# Altium PCB 通用工装板.PcbDoc (part 2 of 10)
Units mil, origin at the board's own origin, x right, y up, seen from the top; angles counter-clockwise.
Board outline 5905.51 x 3937.01 mil, 4 copper layers (L1, L2, L3, L4), stack 30.634 mil thick; 601 components, 576 nets, 2543 pads, 2986 vias.
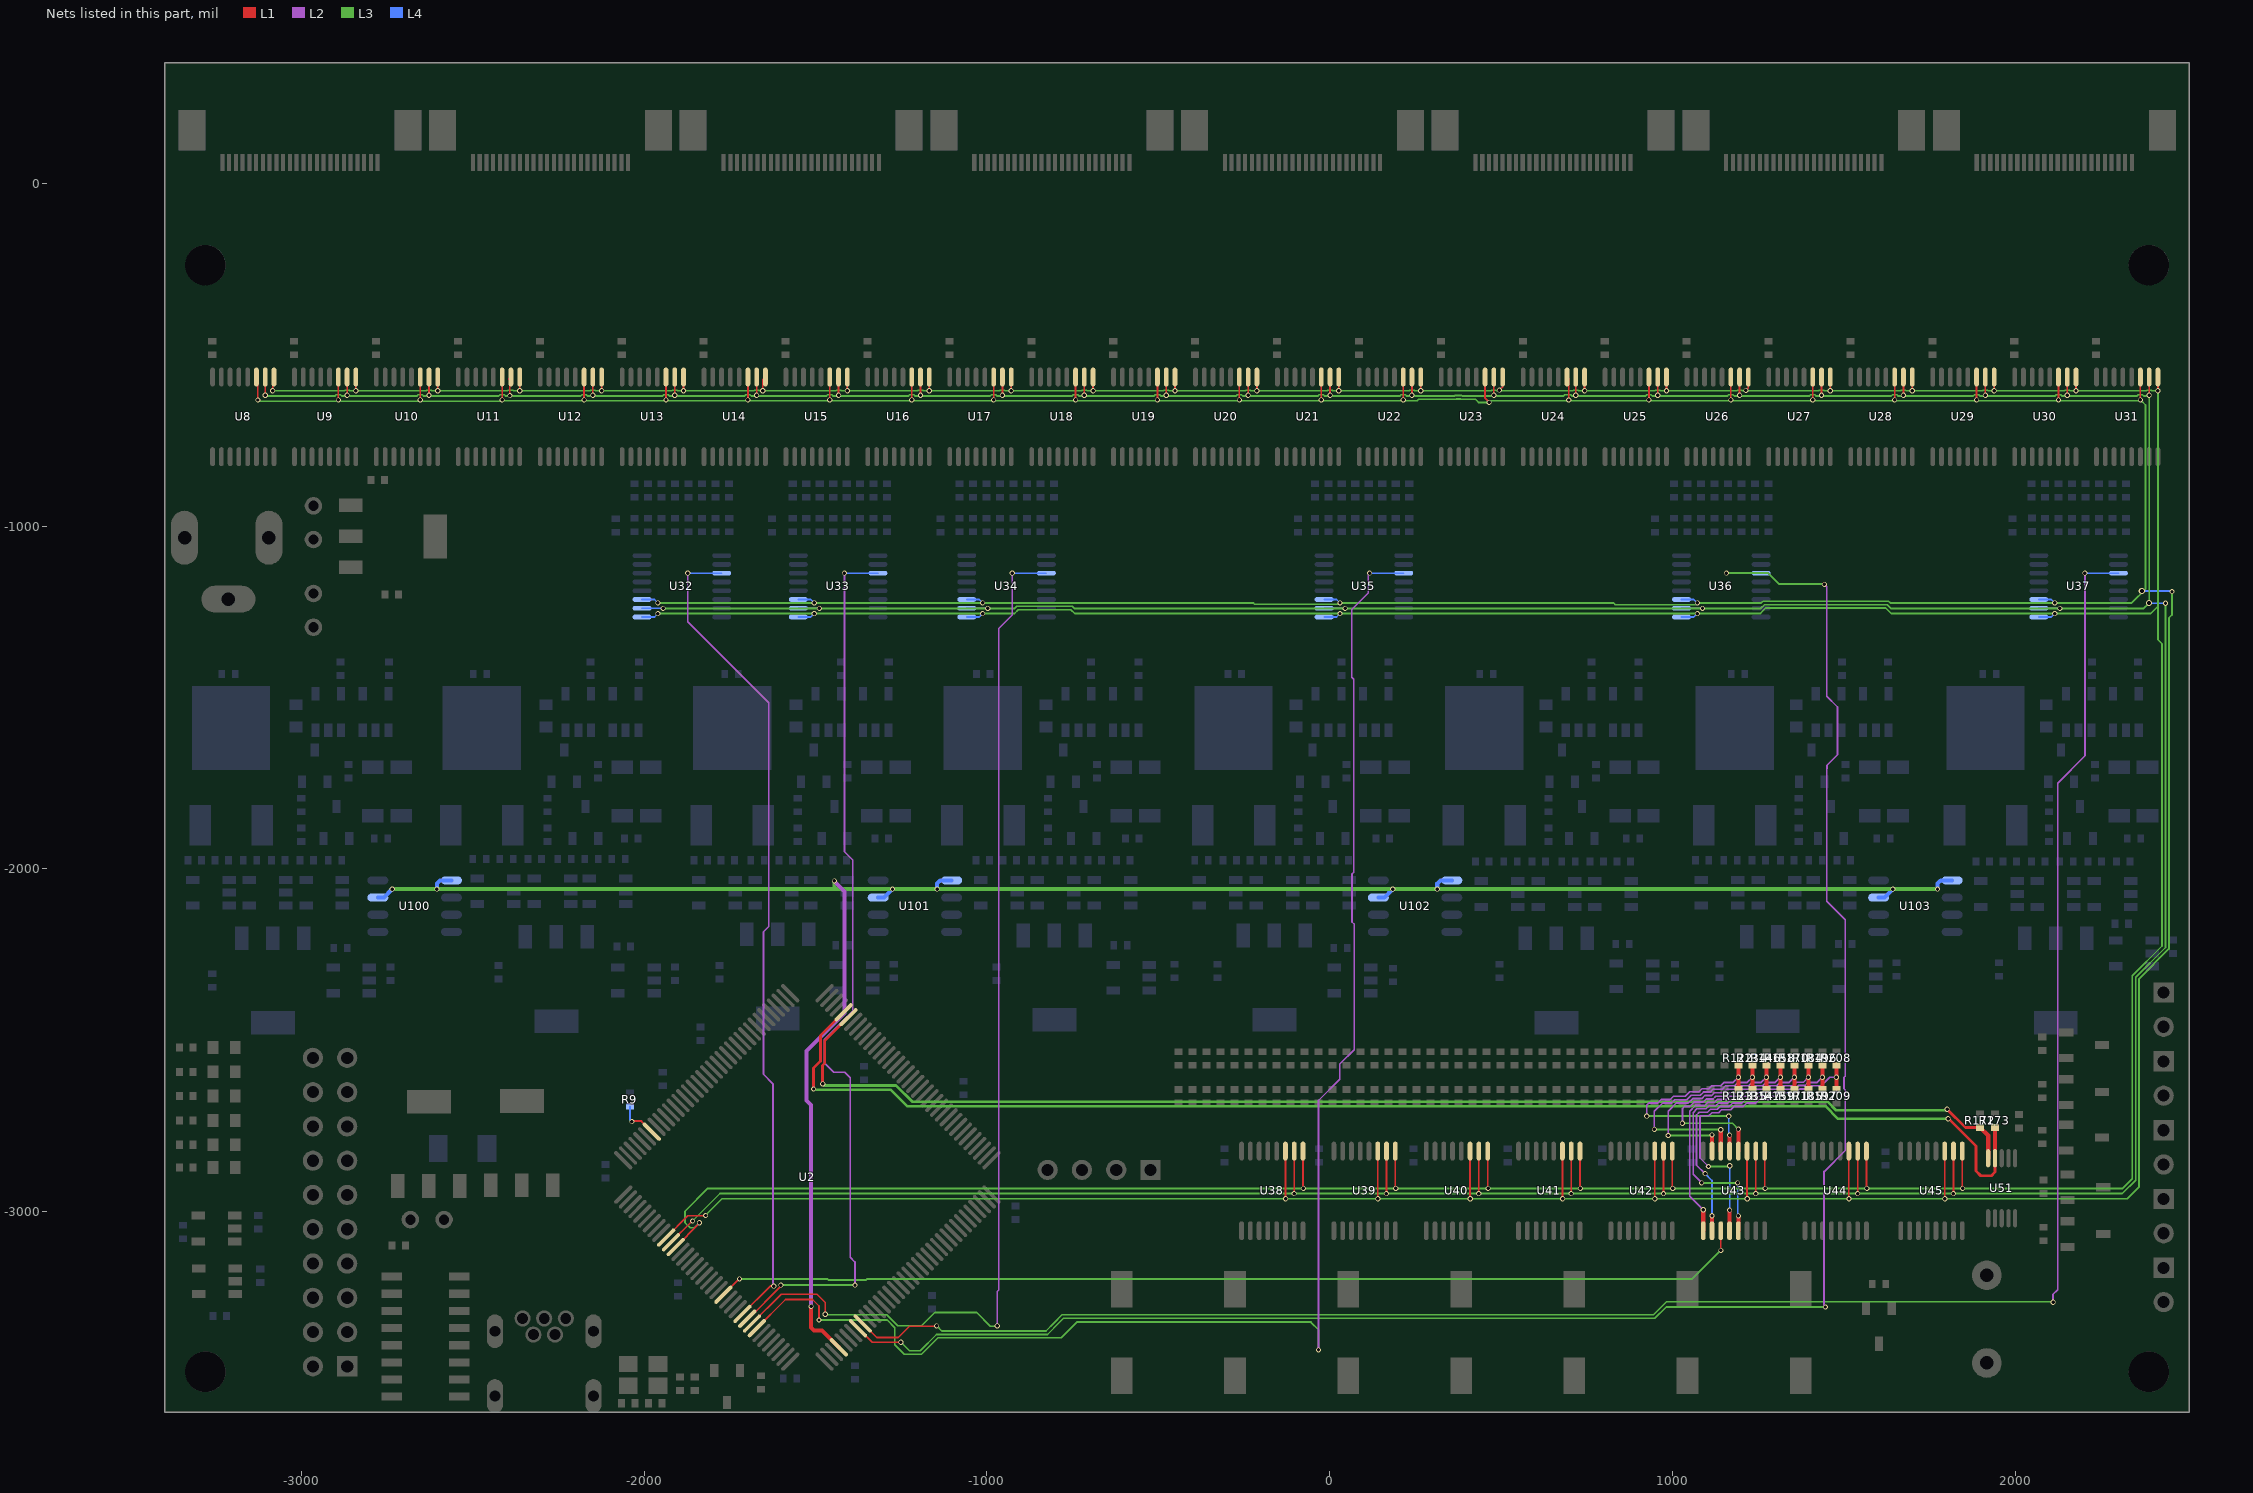
[diagram p4: the nets of this part, all layers, seen from the top]

## Via types
v1: diameter 15, hole 10, L1 to L4, tented both sides, 1853 vias
v2: diameter 18, hole 12, L1 to L4, tented both sides, 1133 vias

## Nets (pads, with @x,y where several pads share a name; then routed paths per layer and width w, separated by ;. In a path a pad name is that pad's centre, name@x,y a point inside that pad or via, vN(x,y) a via of type N, cw(c..) or ccw(c..) an arc to the next point about the centre after c; other vN are vias at no path point) (continued)
ADC1: U2.26 U32.3 | length 2420.3
  L1 w5: U2.26@-1713.29,-3298.06 -1632.23,-3217 v1(-1622,-3217)
  L2 w5: v1(-1873.17,-1137.17) -1873.17,-1278.83 -1637,-1515 -1637,-2168 -1652,-2183 -1652,-2599 -1624.5,-2626.5 -1624.5,-3214.5 v1(-1622,-3217)
  L4 w5: v1(-1873.17,-1137.17) U32.3@-1773.98,-1137.17
ADC2: U2.27 U33.3 | length 2631.9
  L1 w5: U2.27@-1699.37,-3311.98 -1695.76,-3311.98 -1601.39,-3217.61 v1(-1601.39,-3214)
  L2 w5: v1(-1415.83,-1137.17) -1415.83,-1950.17 -1392,-1974 -1392,-2415.09 -1475,-2498.09 -1475,-2565 -1447,-2593 -1415,-2593 -1399,-2609 -1399,-3133 -1385,-3147 v1(-1385,-3214)
  L3 w5: v1(-1601.39,-3214) v1(-1385,-3214)
  L4 w5: v1(-1415.83,-1137.17) U33.3@-1318.08,-1137.17
ADC3: U2.28 U34.3 | length 3155.2
  L1 w5: U2.28@-1685.45,-3325.9 -1600.55,-3241 -1496,-3241 -1472,-3265 v1(-1472,-3299)
  L2 w5: v1(-970,-3333) -970,-3232.79 -965.5,-3228.29 -965.5,-2876 -965.5,-1298.5 -926.17,-1259.17 v1(-926.17,-1137.17)
  L3 w5: v1(-1472,-3299) -1470,-3301 -1292,-3301 -1260,-3333 -1191,-3333 -1152,-3294 -1030.14,-3294 -990.14,-3334 -971,-3334 v1(-970,-3333)
  L4 w5: v1(-926.17,-1137.17) U34.3@-826.74,-1137.17
ADC4: U2.29 U35.3 | length 4336.7
  L1 w5: U2.29@-1671.53,-3339.81 -1587.72,-3256 -1509,-3256 -1490,-3275 v1(-1490,-3316)
  L2 w5: v1(-33,-3403) -33,-2675.64 29,-2613.64 29,-2569 71,-2527 71,-2160.79 65,-2154.79 65,-2014.97 69.76,-2010.21 69.76,-1446.46 64.13,-1440.83 64.13,-1243.08 112,-1195.21 112,-1141.33 v1(116.17,-1137.17)
  L3 w5: v1(-1490,-3316) -1291.14,-3316 -1269,-3338.14 -1269,-3388 -1241,-3416 -1191,-3416 -1143,-3368 -783.79,-3368 -737.79,-3322 -55,-3322 -33,-3344 v1(-33,-3403)
  L4 w5: v1(116.17,-1137.17) U35.3@215.78,-1137.17
ADC5: U2.44 U36.3 | length 5497
  L1 w5: U2.44@-1376.44,-3339.81 -1335.25,-3381 v1(-1251,-3381)
  L2 w5: v1(1443,-1170) 1450,-1177 1450,-1496.7 1481,-1527.7 1481,-1667.3 1450.5,-1697.8 1450.5,-1707.5 1450,-1708 1450,-2094.56 1503.5,-2148.06 1503.5,-2604.59 1500,-2608.09 1500,-2641.41 1503.5,-2644.91 1503.5,-2821.5 1442,-2883 1442,-3274 v1(1446,-3278)
  L3 w5: v1(-1251,-3381) -1226,-3406 -1195.14,-3406 -1147.14,-3358 -823.64,-3358 -789.93,-3324.28 -789.93,-3324.07 -776.86,-3311 948.36,-3311 981.36,-3278 v1(1446,-3278) v1@1443,-3281 ; v1(1157,-1137) 1278.86,-1137 1310.86,-1169 1442,-1169 v1(1443,-1170)
  L4 w5: v1(1157,-1137) 1157.17,-1137.17 U36.3@1258.3,-1137.17
ADC6: U2.45 U37.3 | length 5811
  L1 w5: U2.45@-1362.52,-3325.9 -1321.41,-3367 -1259,-3367 -1226,-3334 -1148,-3334 v1(-1147,-3333)
  L2 w5: v1(2110,-3264) 2110,-3241 2123.5,-3227.5 2123.5,-1749.65 2203,-1670.15 v1(2203,-1137)
  L3 w5: v1(-1147,-3333) -1132,-3348 -827.79,-3348 -804,-3324.21 -804,-3324 -781,-3301 944.21,-3301 982.21,-3263 2111,-3263 v1(2110,-3264)
  L4 w5: v1(2203,-1137) 2203.17,-1137.17 U37.3@2300.82,-1137.17
ADC_I2C_SCL: R172.1 U2.103 U51.10 | length 3755.9
  L1 w8: v1@-1480,-2626 -1480,-2573.18 -1473,-2566.18 -1473,-2500.99 U2.103@-1404.28,-2432.27 ; v1(1801,-2701) 1854.29,-2754.29 R172.1@1897.28,-2754.29
  L1 w12: R172.1@1897.28,-2754.29 1920.9,-2777.91 U51.10@1920.9,-2843.86
  L3 w8: v1(-1479,-2627) -1474.5,-2631.5 -1265.5,-2631.5 -1218,-2679 1451.62,-2679 1476.62,-2704 1798,-2704 v1(1801,-2701)
ADC_I2C_SDA: R173.1 U2.104 U51.9 | length 3988.7
  L1 w8: v1(-1506,-2642) -1506,-2580.8 -1486,-2560.8 -1486,-2486.15 U2.104@-1418.2,-2418.35 ; v1(1804,-2729) 1806,-2729 1885,-2808 1885,-2881 1899,-2895 1930,-2895 1940.58,-2884.42 U51.9@1940.58,-2843.86
  L1 w12: U51.9@1940.58,-2843.86 R173.1@1940.58,-2754.29
  L3 w8: v1(-1506,-2642) -1503.5,-2644.5 -1280.5,-2644.5 -1233,-2692 1446.23,-2692 1483.23,-2729 v1(1804,-2729)
ADDR_A: U2.10 U8.11 U9.11 U10.11 U11.11 U12.11 U13.11 U14.11 U15.11 U16.11 U17.11 U18.11 U19.11 U20.11 U21.11 U22.11 U23.11 U24.11 U25.11 U26.11 U27.11 U28.11 U29.11 U30.11 U31.11 U32.11 U33.11 U34.11 U35.11 U36.11 U37.11 U38.11 U39.11 U40.11 U41.11 U42.11 U43.11 U44.11 U45.11 | length 19751.8
  L1 w5: U8.11@-3131.27,-564.98 -3127,-569.25 v1(-3127,-632) ; v1(-2892.31,-631.73) U9.11@-2892.31,-564.98 ; v1(-2653.35,-631.73) U10.11@-2653.35,-564.98 ; v1(-2414.39,-631.73) U11.11@-2414.39,-564.98 ; v1(-2175.43,-631.73) U12.11@-2175.43,-564.98 ; v1(-1936.47,-631.73) U13.11@-1936.47,-564.98 ; U2.10@-1936,-3075.35 -1872.65,-3012 -1822,-3012 v1(-1821,-3011) ; v1(-1697.51,-631.73) U14.11@-1697.51,-564.98 ; v1(-1458.55,-631.73) U15.11@-1458.55,-564.98 ; v1(-1219.59,-631.73) U16.11@-1219.59,-564.98 ; v1(-980.63,-631.73) U17.11@-980.63,-564.98 ; v1(-741.68,-631.73) U18.11@-741.68,-564.98 ; v1(-502.72,-631.73) U19.11@-502.72,-564.98 ; v1(-263.76,-631.73) U20.11@-263.76,-564.98 ; U38.11@-129.4,-2823.19 -129.4,-2961.6 v1(-129,-2962) ; v1(-24.8,-631.73) U21.11@-24.8,-564.98 ; U39.11@139.97,-2823.19 139.97,-2961.6 v1(140.37,-2962) ; v1(214.16,-631.73) U22.11@214.16,-564.98 ; U40.11@409.35,-2823.19 409.35,-2961.6 v1(409.75,-2962) ; U23.11@453.12,-564.98 453.12,-627.12 v1(465,-639) ; U41.11@678.72,-2823.19 678.72,-2961.6 v1(679.12,-2962) ; U24.11@692.08,-564.98 697,-569.9 v1(697,-632) ; v1(931.04,-631.73) U25.11@931.04,-564.98 ; U42.11@948.09,-2823.19 948.09,-2961.6 v1(948.5,-2962) ; v1(1170,-631.73) U26.11@1170,-564.98 ; U43.11@1217.47,-2823.19 1217.47,-2961.6 v1(1217.87,-2962) ; v1(1408.96,-631.73) U27.11@1408.96,-564.98 ; U44.11@1514.4,-2823.19 1514.4,-2961.6 v1(1514.8,-2962) ; v1(1647.92,-631.73) U28.11@1647.92,-564.98 ; U45.11@1793.93,-2823.19 1793.93,-2961.6 v1(1794.33,-2962) ; v1(1886.88,-631.73) U29.11@1886.88,-564.98 ; v1(2125.83,-631.73) U30.11@2125.83,-564.98 ; v1(2364.79,-631.73) U31.11@2364.79,-564.98
  L2 w5: v1(-2175.43,-631.73) v1@-2173.16,-634 ; v1(-1936.47,-631.73) v1@-1934.2,-634 ; v1(-1697.51,-631.73) v1@-1695.24,-634 ; v1(-1458.55,-631.73) v1@-1456.29,-634 ; v1(-1219.59,-631.73) v1@-1217.33,-634 ; v1(-980.63,-631.73) v1@-978.37,-634 ; v1(-741.68,-631.73) v1@-739.41,-634 ; v1(-502.72,-631.73) v1@-500.45,-634 ; v1(-263.76,-631.73) v1@-261.49,-634 ; v1(-24.8,-631.73) v1@-22.53,-634 ; v1(214.16,-631.73) v1@216.43,-634 ; v1@694.35,-634 696.35,-632 v1(697,-632) ; v1(931.04,-631.73) v1@933.31,-634 ; v1(1170,-631.73) v1@1172.27,-634 ; v1(1408.96,-631.73) v1@1411.22,-634 ; v1(1647.92,-631.73) v1@1650.18,-634 ; v1(1886.88,-631.73) v1@1889.14,-634 ; v1(2125.83,-631.73) v1@2128.1,-634 ; v1(2364.79,-631.73) v1@2367.06,-634
  L3 w5: v1@-3129,-634 -3127,-636 v1@-2414.39,-636 ; v1(-2414.39,-631.73) -2412.12,-634 -263.76,-634 255.09,-634 259,-630.09 367.7,-630.09 368.79,-629 381.21,-629 382.3,-630.09 425.09,-630.09 434,-639 v1(465,-639) 470,-634 v1@2367.06,-634 ; v1(-1960,-1224) v1(-1504.09,-1224) v1(-1012.76,-1224) -223.64,-1224 -219.64,-1228 25.76,-1228 v1(29.76,-1224) 827.78,-1224 832.78,-1229 1067.28,-1229 v1(1072.28,-1224) 1259,-1224 1264,-1219 1630,-1219 1635,-1224 v1(2114.8,-1224) 2340,-1224 2379.79,-1184.21 2379.79,-646.73 v1@2367.06,-634 ; v1(-1821,-3011) -1822,-3011 -1773,-2962 v1(-129,-2962) v1(140.37,-2962) v1(409.75,-2962) v1(679.12,-2962) v1(948.5,-2962) v1(1217.87,-2962) v1(1514.8,-2962) v1(1794.33,-2962) 2326,-2962 2361,-2927 2361,-2320.28 2448,-2233.28 2448,-1268 2457,-1259 v1(2457,-1191) ; v1(2364.79,-631.73) v1@2367.06,-634
  L4 w5: U32.11@-2006.27,-1213.94 -1970.06,-1213.94 v1(-1960,-1224) ; U33.11@-1550.36,-1213.94 -1514.16,-1213.94 v1(-1504.09,-1224) ; U34.11@-1059.02,-1213.94 -1022.82,-1213.94 v1(-1012.76,-1224) ; U35.11@-16.5,-1213.94 19.7,-1213.94 v1(29.76,-1224) ; U36.11@1026.02,-1213.94 1062.22,-1213.94 v1(1072.28,-1224) ; U37.11@2068.54,-1213.94 2104.74,-1213.94 v1(2114.8,-1224) ; v2(2369,-1189) 2455,-1189 v1(2457,-1191)
ADDR_B: U2.11 U8.10 U9.10 U10.10 U11.10 U12.10 U13.10 U14.10 U15.10 U16.10 U17.10 U18.10 U19.10 U20.10 U21.10 U22.10 U23.10 U24.10 U25.10 U26.10 U27.10 U28.10 U29.10 U30.10 U31.10 U32.10 U33.10 U34.10 U35.10 U36.10 U37.10 U38.10 U39.10 U40.10 U41.10 U42.10 U43.10 U44.10 U45.10 | length 19280.8
  L1 w5: v1(-3105.68,-618.32) U8.10@-3105.68,-564.98 ; v1(-2866.72,-618.32) U9.10@-2866.72,-564.98 ; v1(-2627.76,-618.32) U10.10@-2627.76,-564.98 ; v1(-2392,-619) -2392,-574.96 -2391,-573.96 -2394.39,-570.57 U11.10@-2388.8,-564.98 ; v1(-2149.84,-618.32) U12.10@-2149.84,-564.98 ; U2.11@-1922.08,-3089.26 -1859.82,-3027 v1(-1859,-3027) ; v1(-1910.88,-618.32) U13.10@-1910.88,-564.98 ; v1(-1671.92,-618.32) U14.10@-1671.92,-564.98 ; v1(-1432.96,-618.32) U15.10@-1432.96,-564.98 ; v1(-1194,-618.32) U16.10@-1194,-564.98 ; v1(-955.04,-618.32) U17.10@-955.04,-564.98 ; v1(-716.09,-618.32) U18.10@-716.09,-564.98 ; v1(-477.13,-618.32) U19.10@-477.13,-564.98 ; v1(-238.17,-618.32) U20.10@-238.17,-564.98 ; v1(-104,-2947) -103.81,-2946.81 U38.10@-103.81,-2823.19 ; v1(0.79,-618.32) U21.10@0.79,-564.98 ; v1(165.37,-2947) 165.56,-2946.81 U39.10@165.56,-2823.19 ; v1(239.75,-618.32) U22.10@239.75,-564.98 ; v1(434.75,-2947) 434.94,-2946.81 U40.10@434.94,-2823.19 ; v1(478.71,-618.32) U23.10@478.71,-564.98 ; v1(704.12,-2947) 704.31,-2946.81 U41.10@704.31,-2823.19 ; v1(717.67,-618.32) U24.10@717.67,-564.98 ; v1(956.63,-618.32) U25.10@956.63,-564.98 ; v1(973.5,-2947) 973.68,-2946.81 U42.10@973.68,-2823.19 ; v1(1195.59,-618.32) U26.10@1195.59,-564.98 ; v1(1242.87,-2947) 1243.06,-2946.81 U43.10@1243.06,-2823.19 ; v1(1434.55,-618.32) U27.10@1434.55,-564.98 ; v1(1539.8,-2947) 1539.99,-2946.81 U44.10@1539.99,-2823.19 ; v1(1673.51,-618.32) U28.10@1673.51,-564.98 ; v1(1819.33,-2947) 1819.52,-2946.81 U45.10@1819.52,-2823.19 ; v1(1912.47,-618.32) U29.10@1912.47,-564.98 ; v1(2151.43,-618.32) U30.10@2151.43,-564.98 ; v1(2390.38,-618.32) U31.10@2390.38,-564.98
  L3 w5: v1(-3105.68,-618.32) -3103.91,-620.09 -2901.88,-620.09 -2898.52,-616.73 -2886.1,-616.73 -2882.74,-620.09 -2662.92,-620.09 -2659.56,-616.73 -2647.14,-616.73 -2643.78,-620.09 -2423.96,-620.09 -2420.6,-616.73 -2408.18,-616.73 -2404.82,-620.09 -2185,-620.09 -2181.64,-616.73 -2169.22,-616.73 -2165.86,-620.09 -1946.04,-620.09 -1942.68,-616.73 -1930.26,-616.73 -1926.9,-620.09 -1707.08,-620.09 -1703.73,-616.73 -1691.3,-616.73 -1687.95,-620.09 -1468.12,-620.09 -1464.77,-616.73 -1452.34,-616.73 -1448.99,-620.09 -1229.16,-620.09 -1225.81,-616.73 -1213.38,-616.73 -1210.03,-620.09 -990.2,-620.09 -986.85,-616.73 -974.42,-616.73 -971.07,-620.09 -751.24,-620.09 -747.89,-616.73 -735.46,-616.73 -732.11,-620.09 -512.28,-620.09 -508.93,-616.73 -496.5,-616.73 -493.15,-620.09 -273.32,-620.09 -269.97,-616.73 -257.54,-616.73 -254.19,-620.09 -34.37,-620.09 -31.01,-616.73 -18.58,-616.73 -15.23,-620.09 204.59,-620.09 207.95,-616.73 220.37,-616.73 223.73,-620.09 363.56,-620.09 364.64,-619 385.36,-619 386.44,-620.09 682.51,-620.09 685.87,-616.73 702.95,-616.73 706.3,-620.09 921.47,-620.09 924.83,-616.73 937.25,-616.73 940.61,-620.09 1160.43,-620.09 1163.78,-616.73 1176.21,-616.73 1179.57,-620.09 1399.39,-620.09 1402.74,-616.73 1415.17,-616.73 1418.52,-620.09 1638.35,-620.09 1641.7,-616.73 1654.13,-616.73 1657.48,-620.09 1877.31,-620.09 1880.66,-616.73 1893.09,-616.73 1896.44,-620.09 2116.27,-620.09 2119.62,-616.73 2132.05,-616.73 2135.4,-620.09 2355.23,-620.09 2358.58,-616.73 2371.01,-616.73 2374.36,-620.09 v1@2390.38,-620.09 ; v1(-1945,-1240) v1(-1489.09,-1240) v1(-997.76,-1240) -919,-1240 -913,-1234 -751,-1234 -745,-1240 v1(44.76,-1240) v1(1087.28,-1240) 1257.14,-1240 1268.14,-1229 1625.86,-1229 1636.86,-1240 v1(2129.8,-1240) 2375,-1240 v2(2390.38,-1224.62) v1@2390.38,-620.09 ; v1(-1859,-3027) -1779,-2947 v1(-104,-2947) v1(165.37,-2947) v1(434.75,-2947) v1(704.12,-2947) v1(973.5,-2947) v1(1242.87,-2947) v1(1539.8,-2947) v1(1819.33,-2947) 2312.14,-2947 2351,-2908.14 2351,-2316.14 2438,-2229.14 v1(2438,-1225) ; v1(2390.38,-618.32) v1@2390.38,-620.09
  L4 w5: U32.10@-2006.27,-1239.53 -1945.47,-1239.53 v1(-1945,-1240) ; U33.10@-1550.36,-1239.53 -1489.57,-1239.53 v1(-1489.09,-1240) ; U34.10@-1059.02,-1239.53 -998.23,-1239.53 v1(-997.76,-1240) ; U35.10@-16.5,-1239.53 44.29,-1239.53 v1(44.76,-1240) ; U36.10@1026.02,-1239.53 1086.81,-1239.53 v1(1087.28,-1240) ; U37.10@2068.54,-1239.53 2129.33,-1239.53 v1(2129.8,-1240) ; v2(2390.38,-1224.62) 2437.62,-1224.62 v1(2438,-1225)
ADDR_C: U2.12 U8.9 U9.9 U10.9 U11.9 U12.9 U13.9 U14.9 U15.9 U16.9 U17.9 U18.9 U19.9 U20.9 U21.9 U22.9 U23.9 U24.9 U25.9 U26.9 U27.9 U28.9 U29.9 U30.9 U31.9 U32.9 U33.9 U34.9 U35.9 U36.9 U37.9 U38.9 U39.9 U40.9 U41.9 U42.9 U43.9 U44.9 U45.9 | length 18877.3
  L1 w5: v1(-3084,-605) -3084,-568.9 U8.9@-3080.09,-564.98 ; v1(-2841.13,-605.09) U9.9@-2841.13,-564.98 ; v1(-2602.17,-605.09) U10.9@-2602.17,-564.98 ; v1(-2363.21,-605.09) U11.9@-2363.21,-564.98 ; v1(-2124.25,-605.09) U12.9@-2124.25,-564.98 ; U2.12@-1908.16,-3103.18 -1839,-3034.02 v1(-1839,-3032) ; v1(-1885.29,-605.09) U13.9@-1885.29,-564.98 ; v1(-1654,-605) -1654,-572.65 U14.9@-1646.33,-564.98 ; v1(-1407.37,-605.09) U15.9@-1407.37,-564.98 ; v1(-1168.41,-605.09) U16.9@-1168.41,-564.98 ; v1(-929.45,-605.09) U17.9@-929.45,-564.98 ; v1(-690.49,-605.09) U18.9@-690.49,-564.98 ; v1(-451.54,-605.09) U19.9@-451.54,-564.98 ; v1(-212.58,-605.09) U20.9@-212.58,-564.98 ; U38.9@-78.22,-2823.19 -78.22,-2930.78 v1(-77,-2932) ; v1(26.38,-605.09) U21.9@26.38,-564.98 ; U39.9@191.15,-2823.19 191.15,-2930.78 v1(192.37,-2932) ; v1(265.34,-605.09) U22.9@265.34,-564.98 ; U40.9@460.53,-2823.19 460.53,-2930.78 v1(461.75,-2932) ; v1(495,-603) 504.3,-593.7 U23.9@504.3,-564.98 ; U41.9@729.9,-2823.19 729.9,-2930.78 v1(731.12,-2932) ; v1(743.26,-605.09) U24.9@743.26,-564.98 ; v1(982.22,-605.09) U25.9@982.22,-564.98 ; U42.9@999.27,-2823.19 999.27,-2930.78 v1(1000.5,-2932) ; v1(1214,-604) 1221.18,-596.82 U26.9@1221.18,-564.98 ; U43.9@1268.65,-2823.19 1268.65,-2930.78 v1(1269.87,-2932) ; v1(1460.14,-605.09) U27.9@1460.14,-564.98 ; U44.9@1565.58,-2823.19 1565.58,-2930.78 v1(1566.8,-2932) ; v1(1699.1,-605.09) U28.9@1699.1,-564.98 ; U45.9@1845.11,-2823.19 1845.11,-2930.78 v1(1846.33,-2932) ; v1(1938.06,-605.09) U29.9@1938.06,-564.98 ; v1(2177.02,-605.09) U30.9@2177.02,-564.98 ; v1(2415.98,-605.09) U31.9@2415.98,-564.98
  L3 w5: v1(-3084,-605) -2874.78,-605 -2874.69,-605.09 -2872.93,-603.32 -2860.5,-603.32 -2858.74,-605.09 -2635.74,-605.09 -2633.97,-603.32 -2621.55,-603.32 -2619.78,-605.09 -2399.3,-605.09 -2397.54,-603.32 -2382.59,-603.32 -2380.82,-605.09 -2157.82,-605.09 -2156.05,-603.32 -2143.63,-603.32 -2141.86,-605.09 -1918.86,-605.09 -1917.09,-603.32 -1904.67,-603.32 -1902.9,-605.09 -1679.9,-605.09 -1678.14,-603.32 -1665.71,-603.32 -1663.95,-605.09 -1440.94,-605.09 -1439.18,-603.32 -1426.75,-603.32 -1424.99,-605.09 -1201.98,-605.09 -1200.22,-603.32 -1187.79,-603.32 -1186.03,-605.09 -963.02,-605.09 -961.26,-603.32 -948.83,-603.32 -947.07,-605.09 -724.06,-605.09 -722.3,-603.32 -709.87,-603.32 -708.11,-605.09 -485.1,-605.09 -483.34,-603.32 -470.91,-603.32 -469.15,-605.09 -246.14,-605.09 -244.38,-603.32 -231.95,-603.32 -230.19,-605.09 -7.18,-605.09 -5.42,-603.32 7.01,-603.32 8.77,-605.09 231.77,-605.09 233.54,-603.32 245.96,-603.32 247.73,-605.09 470.73,-605.09 472.5,-603.32 484.92,-603.32 486.69,-605.09 709.69,-605.09 711.46,-603.32 723.88,-603.32 725.65,-605.09 948.65,-605.09 950.42,-603.32 962.84,-603.32 964.61,-605.09 1187.61,-605.09 1189.38,-603.32 1201.8,-603.32 1203.57,-605.09 1426.57,-605.09 1428.33,-603.32 1440.76,-603.32 1442.52,-605.09 1665.53,-605.09 1667.29,-603.32 1679.72,-603.32 1681.48,-605.09 1904.49,-605.09 1906.25,-603.32 1918.68,-603.32 1920.44,-605.09 2143.45,-605.09 2145.21,-603.32 2157.64,-603.32 2159.4,-605.09 2382.41,-605.09 2384.17,-603.32 2396.6,-603.32 2398.36,-605.09 v1(2415.98,-605.09) 2415.98,-1234.02 ; v1(-1960,-1255) v1(-1504.09,-1255) v1(-1012.76,-1255) -919.86,-1255 -908.86,-1244 -755.14,-1244 -744.14,-1255 v1(29.76,-1255) v1(1072.28,-1255) 1256.28,-1255 1272.28,-1239 1621.72,-1239 1637.72,-1255 v1(2114.8,-1255) 2395,-1255 2415.98,-1234.02 ; v1(-1839,-3032) -1854,-3047 -1866,-3047 -1881,-3032 -1881,-2998.79 -1814.21,-2932 v1(-77,-2932) v1(192.37,-2932) v1(461.75,-2932) v1(731.12,-2932) v1(1000.5,-2932) v1(1269.87,-2932) v1(1566.8,-2932) v1(1846.33,-2932) 2313,-2932 2341,-2904 2341,-2312 2428,-2225 2428,-1343 2415.98,-1330.98 2415.98,-1234.02
  L4 w5: U32.9@-2006.27,-1265.12 -1970.12,-1265.12 v1(-1960,-1255) ; U33.9@-1550.36,-1265.12 -1514.21,-1265.12 v1(-1504.09,-1255) ; U34.9@-1059.02,-1265.12 -1022.87,-1265.12 v1(-1012.76,-1255) ; U35.9@-16.5,-1265.12 19.65,-1265.12 v1(29.76,-1255) ; U36.9@1026.02,-1265.12 1062.17,-1265.12 v1(1072.28,-1255) ; U37.9@2068.54,-1265.12 2104.68,-1265.12 v1(2114.8,-1255)
ADJ: U2.22 U43.3 | length 3023.4
  L1 w5: U2.22@-1768.97,-3242.38 -1722.59,-3196 v1(-1722,-3196) ; U43.3@1140.7,-3055.47 1140.7,-3112.7 v1(1141,-3113)
  L3 w5: v1(-1722,-3196) -1466,-3196 -1463,-3199 -1353,-3199 -1350,-3196 1057,-3196 v1@1140.5,-3112.5
ADJ_0: R122.2 R123.1 U43.13 | length 745.4
  L1 w12: U43.13@1166.29,-2823.19 v1(1166.29,-2776.58) ; R123.1@1192.19,-2642.96 v1(1192.19,-2607.82) R122.2@1192.19,-2572.69
  L2 w5: v1(924.87,-2721) 924.87,-2688.98 930.85,-2683 956.89,-2683 967.06,-2672.82 992.89,-2672.82 1002.71,-2663 1037.33,-2663 1050.33,-2650 1077.02,-2650 1086.02,-2641 1105.64,-2641 1113.81,-2632.82 1140.5,-2632.82 1150.5,-2622.82 1177.19,-2622.82 v1(1192.19,-2607.82)
  L3 w5: v1(924.87,-2721) v1(1163.87,-2721)
  L4 w5: v1(1163.87,-2721) 1163.87,-2774.17 v1(1166.29,-2776.58)
ADJ_1: R134.2 R135.1 U43.14 | length 706
  L1 w12: U43.14@1140.7,-2823.19 v1(1140.7,-2760.83) ; R135.1@1233.02,-2642.96 v1(1233.02,-2607.82) R134.2@1233.02,-2572.69
  L2 w5: v1@946.7,-2759.83 v1(946.87,-2760) 946.87,-2707.16 971.2,-2682.82 997.03,-2682.82 1006.85,-2673 1041.47,-2673 1054.47,-2660 1081.16,-2660 1090.16,-2651 1109.78,-2651 1117.95,-2642.82 1144.64,-2642.82 1154.64,-2632.82 1181.33,-2632.82 1191.33,-2622.82 1218.02,-2622.82 v1(1233.02,-2607.82)
  L3 w5: v1(946.87,-2760) v1@1139.87,-2760
ADJ_2: R146.2 R147.1 U43.15 | length 644.4
  L1 w12: U43.15@1115.11,-2823.19 v1(1115.11,-2775.77) ; R147.1@1273.85,-2642.96 v1(1273.85,-2607.82) R146.2@1273.85,-2572.69
  L2 w5: v1(987.53,-2777.66) 987.53,-2706.46 1010.99,-2683 1045.62,-2683 1058.62,-2670 1085.3,-2670 1094.3,-2661 1113.92,-2661 1122.1,-2652.82 1148.78,-2652.82 1158.78,-2642.82 1185.47,-2642.82 1195.47,-2632.82 1222.16,-2632.82 1232.16,-2622.82 1258.85,-2622.82 v1(1273.85,-2607.82)
  L3 w5: v1(987.53,-2777.66) 1113.21,-2777.66 v1(1115.11,-2775.77)
ADJ_3: R158.2 R159.1 U43.12 | length 671.7
  L1 w12: U43.12@1191.88,-2823.19 v1(1191.88,-2759.01) ; R159.1@1314.68,-2642.96 v1(1314.68,-2607.82) R158.2@1314.68,-2572.69
  L2 w5: v1@1028.36,-2741.49 v1(1028.87,-2742) 1028.87,-2699.13 1035,-2693 1049.76,-2693 1062.76,-2680 1089.45,-2680 1098.45,-2671 1118.06,-2671 1126.24,-2662.82 1152.93,-2662.82 1162.93,-2652.82 1189.61,-2652.82 1199.61,-2642.82 1226.3,-2642.82 1236.3,-2632.82 1262.99,-2632.82 1272.99,-2622.82 1299.68,-2622.82 v1(1314.68,-2607.82)
  L3 w5: v1(1028.87,-2742) 1174.87,-2742 v1(1191.88,-2759.01)
ADJ_4: R170.2 R171.1 U43.1 | length 781.8
  L1 w12: U43.1@1089.52,-3055.47 v1(1089.52,-2994.36) ; R171.1@1355.51,-2642.96 v1(1355.51,-2607.82) R170.2@1355.51,-2572.69
  L2 w5: v1(1089.52,-2994.36) 1050,-2954.84 1050,-2706.9 1066.9,-2690 1093.59,-2690 1102.59,-2681 1122.2,-2681 1130.38,-2672.82 1157.07,-2672.82 1167.07,-2662.82 1193.76,-2662.82 1203.76,-2652.82 1230.44,-2652.82 1240.44,-2642.82 1267.13,-2642.82 1277.13,-2632.82 1303.82,-2632.82 1313.82,-2622.82 1340.51,-2622.82 v1(1355.51,-2607.82)
ADJ_5: R184.2 R185.1 U43.5 | length 907.1
  L1 w12: U43.5@1191.88,-3055.47 v1(1191.88,-3012.01) ; R185.1@1396.34,-2642.96 v1(1396.34,-2607.82) R184.2@1396.34,-2572.69
  L2 w5: v1(1084.87,-2916) 1060,-2891.13 1060,-2711.04 1071.04,-2700 1097.73,-2700 1106.73,-2691 1126.35,-2691 1134.52,-2682.82 1161.21,-2682.82 1171.21,-2672.82 1197.9,-2672.82 1207.9,-2662.82 1234.59,-2662.82 1244.59,-2652.82 1271.27,-2652.82 1281.27,-2642.82 1307.96,-2642.82 1317.96,-2632.82 1351.72,-2632.82 1362.54,-2622 1382.16,-2622 v1(1396.34,-2607.82)
  L3 w5: v1(1084.87,-2916) v1(1189.87,-2916)
  L4 w5: v1@1189.87,-3010 v1(1189.87,-2916)
ADJ_6: R196.2 R197.1 U43.2 | length 839.2
  L1 w12: U43.2@1115.11,-3055.47 v1(1115.11,-3011.77) ; R197.1@1437.17,-2642.96 v1(1437.17,-2607.82) R196.2@1437.17,-2572.69
  L2 w5: v1(1094.87,-2889) 1070,-2864.13 1070,-2718 1078,-2710 1101.87,-2710 1110.87,-2701 1130.49,-2701 1138.67,-2692.82 1165.35,-2692.82 1175.35,-2682.82 1202.04,-2682.82 1212.04,-2672.82 1238.73,-2672.82 1248.73,-2662.82 1275.42,-2662.82 1285.42,-2652.82 1312.1,-2652.82 1322.1,-2642.82 1355.86,-2642.82 1366.68,-2632 1386.3,-2632 1395.48,-2622.82 1422.17,-2622.82 v1(1437.17,-2607.82)
  L4 w5: v1(1094.87,-2889) 1115.11,-2909.23 v1(1115.11,-3011.77)
ADJ_7: R208.2 R209.1 U43.4 | length 930
  L1 w12: U43.4@1166.29,-3055.47 v1(1166.29,-2995.42) ; R209.1@1478,-2642.96 v1(1478,-2607.82) R208.2@1478,-2572.69
  L2 w5: v1@1099.19,-2868 v1(1104.87,-2868) 1080,-2843.13 1080,-2722.14 1082.14,-2720 1106.01,-2720 1115.01,-2711 1134.63,-2711 1142.81,-2702.82 1169.5,-2702.82 1179.5,-2692.82 1206.18,-2692.82 1216.18,-2682.82 1242.87,-2682.82 1252.87,-2672.82 1279.56,-2672.82 1289.56,-2662.82 1316.25,-2662.82 1326.25,-2652.82 1360,-2652.82 1370.83,-2642 1390.44,-2642 1399.62,-2632.82 1433.38,-2632.82 1458.38,-2607.82 v1(1478,-2607.82)
  L3 w5: v1(1104.87,-2868) 1164.87,-2868 v1(1166.87,-2866)
  L4 w5: v1(1166.29,-2995.42) 1166.87,-2994.83 v1(1166.87,-2866)
BOOT0: R9.2 U2.138 | length 119.4
  L1 w6: v1(-2036,-2737) -2035,-2736 -2008.09,-2736 U2.138@-1977.76,-2766.33
  L2 w6: v1@-2037,-2736 v1(-2036,-2737)
  L4 w6: R9.2@-2042,-2692.69 -2042,-2731 v1(-2036,-2737)
DAC1: U2.40 U100.3 U100.5 U101.3 U101.5 U102.3 U102.5 U103.3 U103.5 | length 6459
  L1 w12: v1(-1513,-3276) -1513,-3338 -1505,-3346 -1481.61,-3346 U2.40@-1432.12,-3395.49
  L2 w12: v1(-1513,-3276) -1513,-2689 -1527,-2675 -1527,-2531 -1416,-2420 -1416,-2066 -1445,-2037 v1(-1445,-2035)
  L3 w12: v1(-2735,-2059) v1(-2605,-2059) v1(-1275.68,-2059) v1(-1145.68,-2059) v1(183.63,-2059) v1(313.63,-2059) v1(1642.95,-2059) v1(1772.95,-2059) ; -1445,-2056 v1(-1445,-2035)
  L4 w12: U100.3@-2776.94,-2083.62 -2759.62,-2083.62 v1(-2735,-2059) ; v1(-2605,-2059) -2605,-2043 -2595.62,-2033.62 U100.5@-2562.37,-2033.62 ; U101.3@-1317.62,-2083.62 -1300.3,-2083.62 v1(-1275.68,-2059) ; v1(-1145.68,-2059) -1145.68,-2043 -1136.3,-2033.62 U101.5@-1103.05,-2033.62 ; U102.3@141.7,-2083.62 159.01,-2083.62 v1(183.63,-2059) ; v1(313.63,-2059) 313.63,-2043 323.01,-2033.62 U102.5@356.26,-2033.62 ; U103.3@1601.02,-2083.62 1618.33,-2083.62 v1(1642.95,-2059) ; v1(1772.95,-2059) 1772.95,-2043 1782.33,-2033.62 U103.5@1815.58,-2033.62